# Altium PCB Test.PcbDoc (part 4 of 7)
Units mm, origin at the board's own origin, x right, y up, seen from the top; angles counter-clockwise.
Board outline 127 x 60.96 mm, 8 copper layers (TOP, LY2 - GND, LY3 - SIG, LY4 - GND, LY5 - SIG, LY6 - SIG, LY7 - GND, BOTTOM), stack 1.458 mm thick; 279 components, 237 nets, 1232 pads, 1515 vias.
Unrouted connection lines stored in the file: 100.
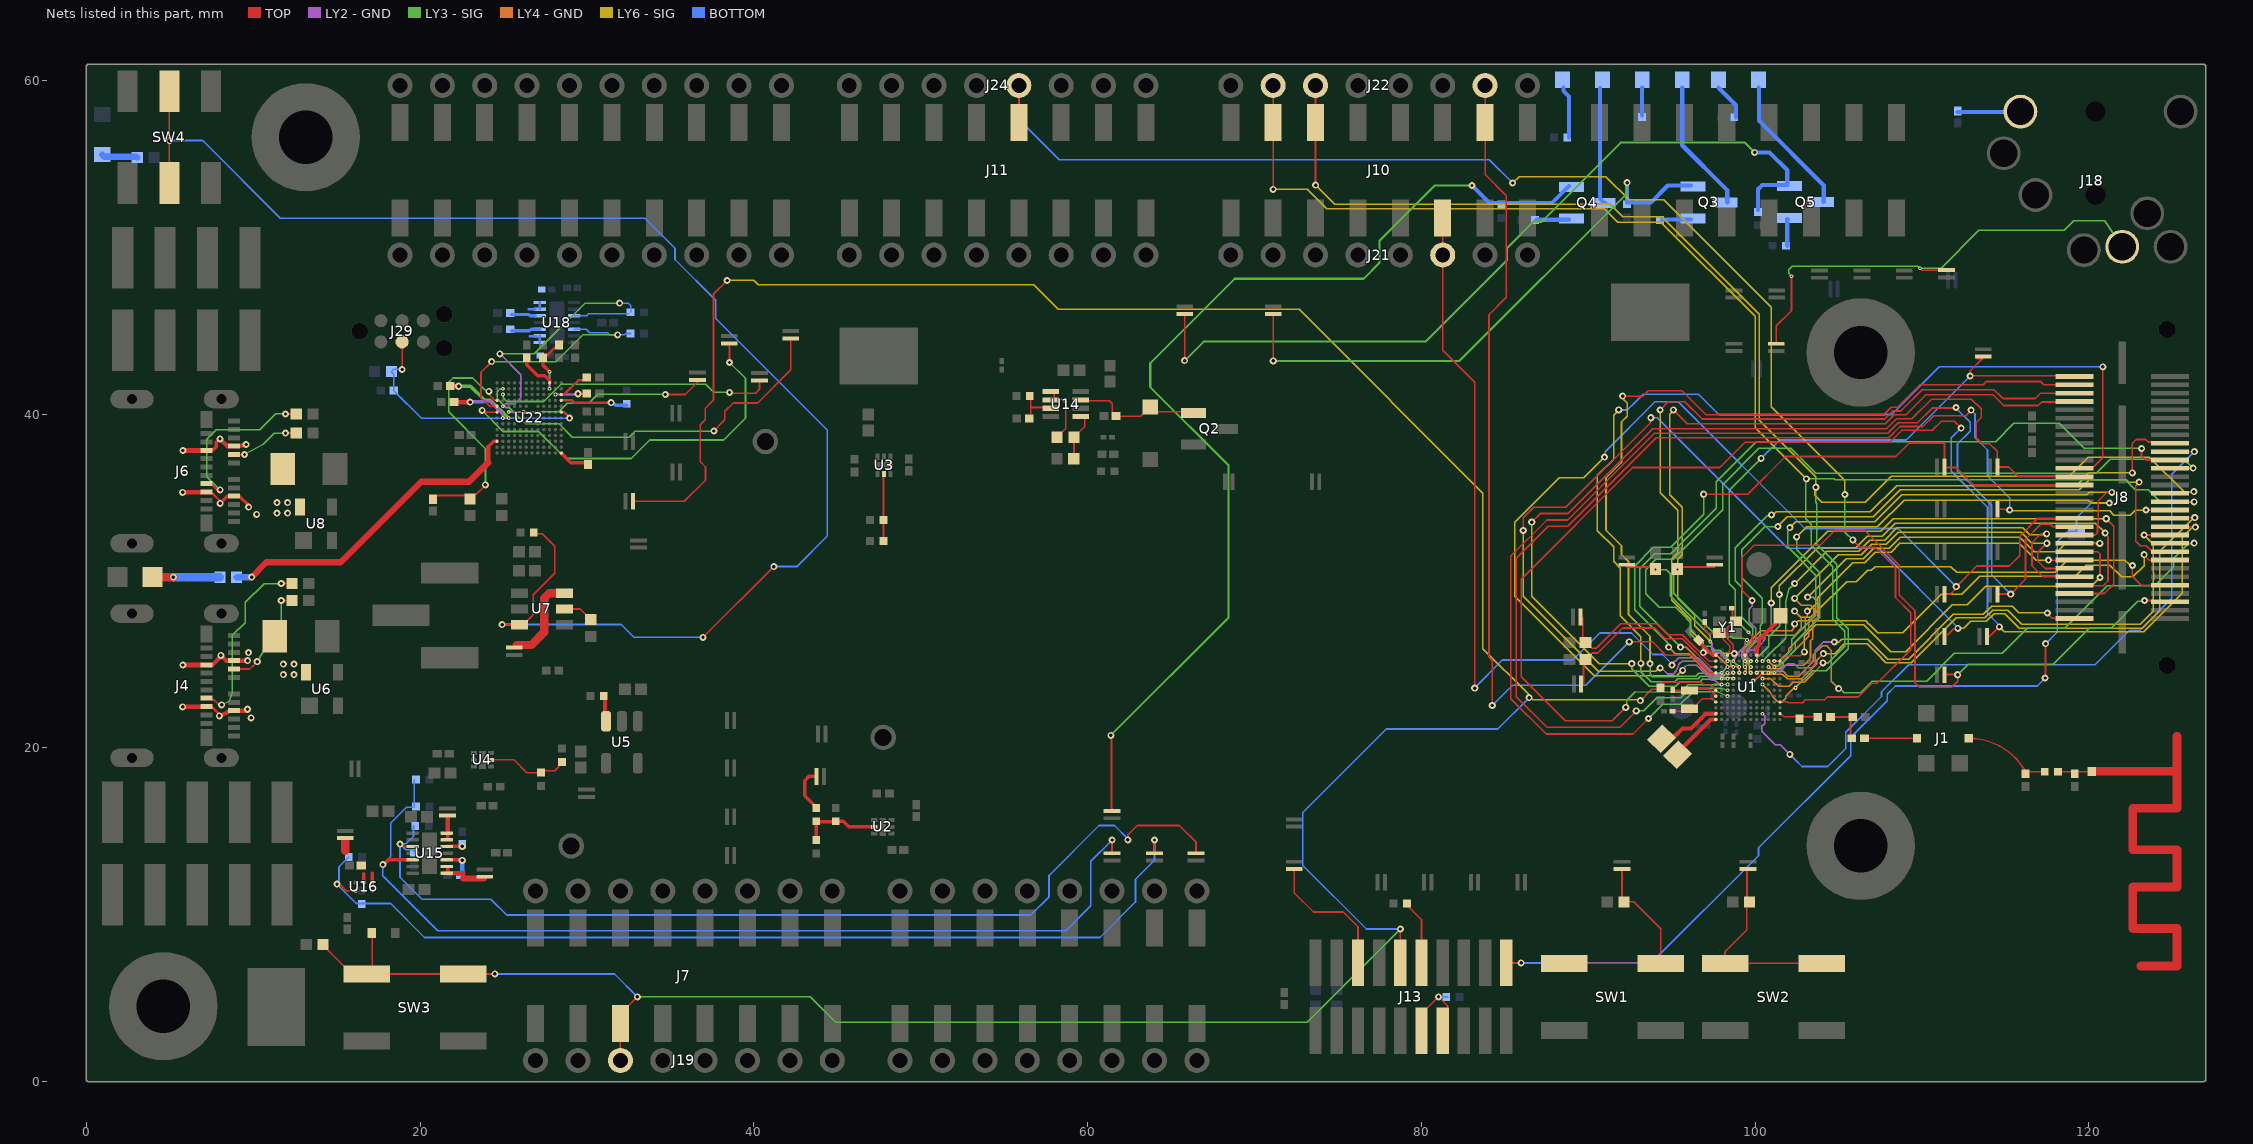
[diagram p10: the nets of this part, all layers, seen from the top]

## Via types
v1: diameter 0.422, hole 0.203, TOP to BOTTOM, tented both sides, 1327 vias
v2: diameter 0.17/0.203/0.229 (per signal layer), hole 0.102, TOP to LY3 - SIG, tented both sides, 58 vias
v3: diameter 0.17/0.229 (per signal layer), hole 0.102, TOP to LY2 - GND, tented both sides, 56 vias
v4: diameter 0.17/0.229/0.229/0.254 (per signal layer), hole 0.102, TOP to LY4 - GND, tented both sides, 35 vias
v5: diameter 0.422/0.422/0.422/0.422 (per signal layer), hole 0.203, LY3 - SIG to LY6 - SIG, tented both sides, 18 vias
v6: diameter 0.229/0.17 (per signal layer), hole 0.102, LY7 - GND to BOTTOM, tented both sides, 11 vias
v7: diameter 0.229/0.203/0.17 (per signal layer), hole 0.102, LY6 - SIG to BOTTOM, tented both sides, 10 vias

## Nets (pads, with @x,y where several pads share a name; then routed paths per layer and width w, separated by ;. In a path a pad name is that pad's centre, name@x,y a point inside that pad or via, vN(x,y) a via of type N, cw(c..) or ccw(c..) an arc to the next point about the centre after c; other vN are vias at no path point) (continued)
MSPI03_CKO_TX2_DISPD3_GP67: J8.34 SB31.1 U1.C6 | length 71
  TOP w0.102: v1(92.877,22.211) 91.9,21.234 87.526,21.234 85.689,23.071 85.689,31.35 87.613,33.274 88.773,33.274 94.081,38.582 108.008,38.582 108.68,39.253 110.048,39.253 110.693,39.899 112.611,39.899 v1(112.943,40.231) ; 114.656,34.29 115.212,34.29 v1(115.249,34.253) ; v1(123.419,34.249) J8.34@124.861,34.249
  LY3 - SIG w0.089: v1(92.877,22.211) 93.331,22.211 94.107,22.987 94.996,22.987 95.55,22.987 96.134,23.571 98.044,23.571 v2(98.343,23.447)
  LY6 - SIG w0.089: v1(115.249,34.253) 115.29,34.211 121.237,34.211 121.502,33.946 122.465,33.946 122.768,34.249 v1(123.419,34.249)
  BOTTOM w0.102: v1(112.943,40.231) 113.176,39.999 113.176,38.589 113.919,37.846 113.919,36.298 115.249,34.968 v1(115.249,34.253)
MSPI04_SWO_RX0_DISPD4_GP68: J8.35 SB32.1 U1.B7 | length 64.2
  TOP w0.102: SB32.1@111.345,29.21 111.694,29.21 111.944,29.46 111.944,29.467 112.052,29.575 v1(112.052,29.662) 113.283,30.893 115.232,30.893 115.849,31.51 115.849,32.664 116.937,33.752 J8.35@119.131,33.751
  LY2 - GND w0.076: v1(95.656,24.638) 95.805,24.882 95.961,24.963 96.5,24.963 97.409,24.054 97.587,24.054 97.843,23.797 v3(97.993,23.797)
  LY6 - SIG w0.089: v1(90.972,37.424) 89.743,36.195 88.265,36.195 85.598,33.528 85.598,29.083 90.358,24.323 95.317,24.323 95.343,24.347 v1(95.656,24.638)
  BOTTOM w0.102: v1(90.972,37.424) 91.019,37.471 91.019,37.748 94.001,40.73 95.403,40.73 102.986,33.147 108.567,33.147 v1(112.052,29.662)
MSPI05_32KXT_SWO_RX2_DISPD5_GP69: J8.36 SB33.1 U1.B8 | length 75.5
  TOP w0.102: v1(86.106,33.02) 86.106,33.782 86.741,34.417 88.662,34.417 93.706,39.462 93.706,39.735 v1(93.75,39.779) ; 111.543,26.78 111.864,27.102 112.088,27.102 v1(112.149,27.163) ; J8.36@124.861,33.751 124.903,33.793 v1(126.343,33.793)
  LY2 - GND w0.076: 94.996,24.421 95.096,24.421 95.28,24.605 95.463,25.029 95.631,25.197 96.52,25.197 97.485,24.232 97.907,24.232 v3(97.993,24.147)
  LY2 - GND w0.102: v1(94.312,24.786) 94.391,24.786 94.756,24.421 94.996,24.421
  LY6 - SIG w0.089: v1(86.106,33.02) 86.106,29.083 90.607,24.582 94.03,24.582 94.235,24.786 v1(94.312,24.786) ; v1(112.149,27.163) 112.507,27.163 112.916,27.572 113.855,27.572 114.32,28.037 114.965,28.037 115.824,27.178 123.205,27.178 124.245,28.218 124.245,31.769 126.269,33.793 v1(126.343,33.793)
  BOTTOM w0.102: v1(93.75,39.779) 94.134,39.779 101.959,31.953 107.406,31.953 112.149,27.21 v1(112.149,27.163)
MSPI06_32KXT_SWTR0_RTS0_DISPD6_GP70: J8.37 SB34.1 U1.C5 | length 74.9
  TOP w0.102: v1(93.609,21.755) 92.682,20.828 87.479,20.828 85.364,22.942 85.364,31.495 87.525,33.655 88.773,33.655 93.968,38.85 107.954,38.85 108.585,39.482 109.732,39.482 110.607,40.358 112.002,40.358 v1(112.038,40.394) ; SB34.1@114.52,29.217 v1@115.309,29.217 ; v1(115.316,29.21) 116.205,30.099 116.205,32.487 117.119,33.401 117.678,33.401 117.831,33.249 J8.37@119.131,33.249
  LY3 - SIG w0.089: v1(93.609,21.755) 94.46,22.606 94.996,22.606 95.527,22.606 96.289,23.368 97.765,23.368 v2(98.343,23.097)
  BOTTOM w0.102: v1(112.038,40.394) 112.038,40.353 112.892,39.5 112.892,38.978 112.128,38.214 112.128,36.589 114.173,34.544 114.173,30.353 v1(115.316,29.21)
MSPI07_CKO_SWTR1_CTS0_DISPD7_GP71: J8.38 SB35.1 U1.C7 | length 83.2
  TOP w0.102: v1(92.247,22.423) 91.439,21.615 88.62,21.615 85.979,24.257 85.979,30.099 92.676,36.796 97.883,36.796 99.393,38.306 108.085,38.306 108.804,39.025 110.612,39.025 111.163,39.576 111.932,39.576 v1(112.347,39.161) ; 114.021,26.67 114.038,26.67 114.136,26.768 114.152,26.768 v1(114.632,27.248) ; J8.38@124.861,33.249 124.874,33.236 126.36,33.236 v1(126.373,33.222) v1@126.228,33.222
  LY3 - SIG w0.089: v1(92.247,22.423) 92.311,22.487 92.311,22.847 92.83,23.366 94.996,23.34 95.559,23.333 96,23.774 98.069,23.774 v2(98.343,23.797)
  LY6 - SIG w0.089: v1(114.632,27.248) 114.928,26.952 123.288,26.952 125.603,29.267 125.603,32.624 126.223,33.244 126.228,33.244 126.228,33.222 v1(126.373,33.222)
  BOTTOM w0.102: v1(112.347,39.161) 111.76,38.575 111.76,36.576 113.919,34.417 113.919,28.059 114.526,27.452 114.526,27.442 114.632,27.335 v1(114.632,27.248)
MSPI08_CKO_SWTR2_TX0_DISPD8_GP72: J8.25 SB53.1 U1.C8 | length 58.2
  TOP w0.102: v1(86.614,33.528) 87.122,34.036 88.773,34.036 93.856,39.119 107.87,39.119 108.471,39.721 109.393,39.721 110.568,40.896 112.959,40.896 113.543,40.312 113.543,39.793 113.248,39.497 113.248,38.582 113.603,38.227 114.046,38.227 114.5,37.773 114.5,36.85 SB53.1@114.52,36.83 115.189,36.83 115.768,36.251 J8.25@119.131,36.251
  LY3 - SIG w0.089: v1(92.606,25.041) 92.606,24.742 93.65,23.698 95.25,23.698 95.514,23.962 96.708,23.962 96.843,24.097 98.196,24.097 v2(98.343,24.147)
  LY6 - SIG w0.089: v1(86.614,33.528) 86.614,29.083 90.653,25.044 ; 90.656,25.041 v1(92.606,25.041)
MSPI09_SWTR3_TX2_DISPD9_GP73: J8.27 SB54.1 U1.D8 | length 42.3
  TOP w0.102: v1(96.909,35.195) 99.559,35.195 101.818,37.454 108.426,37.454 109.235,38.263 111.285,38.263 111.345,38.204 SB54.1@111.345,36.83 111.373,36.802 112.042,36.802 113.091,35.753 J8.27@119.131,35.753
  LY3 - SIG w0.089: v1(94.818,26.035) 94.765,26.088 94.765,26.29 92.773,28.282 92.773,30.895 93.898,32.02 94.941,32.02 96.909,33.989 v1(96.909,35.195)
  LY4 - GND w0.076: v1(94.818,26.035) 95.221,25.632 96.008,25.632 97.434,24.206 98.634,24.206 v4(98.693,24.147)
MSPI10_32KXT_RX2_DISPD15_GP37: J8.56 SB36.1 U1.F11 | length 44.1
  TOP w0.102: v1(99.822,28.829) 99.212,29.439 99.212,31.409 99.935,32.131 103.886,32.131 104.775,33.02 106.566,33.02 108.636,30.95 108.636,29.159 109.576,28.22 109.576,23.901 109.855,23.622 111.76,23.622 112.134,23.996 v1(112.134,24.38) 112.118,24.395 SB36.1@111.345,24.395 ; v1(123.329,28.829) 124.78,28.829 J8.56@124.861,28.748
  LY2 - GND w0.076: v3(99.393,25.197) 99.289,25.301 99.289,25.715 100.051,26.477
  LY2 - GND w0.089: 99.644,27.559 100.051,27.153 100.051,26.477
  LY2 - GND w0.102: 99.644,27.559 99.644,28.321 99.822,28.499 v1(99.822,28.829)
  LY3 - SIG w0.089: v1(112.134,24.38) 112.773,25.019 117.856,25.019 120.015,27.178 121.324,27.178 122.934,28.788 123.288,28.788 v1(123.329,28.829)
MSPI11_SWTRCK_RTS0_DISPD16_GP38: J8.01 SB12.1 U1.F12 | length 36
  TOP w0.102: U1.F12@99.393,25.547 99.393,25.885 99.822,26.314 99.822,26.695 v2(99.593,26.924) ; v1(112.887,42.281) v1@112.897,42.291 ; 113.284,43.307 113.529,43.307 ; 113.665,43.307 113.604,43.307 ; SB12.1@113.665,43.443 113.529,43.307 ; J8.01@119.131,42.255 119.096,42.291 v1@112.897,42.291 ; v1@112.897,42.291 112.903,42.297 112.903,42.606 113.604,43.307 ; 113.529,43.307 113.604,43.307
  LY3 - SIG w0.089: v2(99.593,26.924) 98.806,27.711 98.806,29.464 98.452,29.818 98.452,35.432 v1(100.362,37.342)
  BOTTOM w0.102: v1(100.362,37.342) 101.468,38.448 109.054,38.448 v1(112.887,42.281)
MSPI12_SWTR0_RTS2_DISPD17_GP39: J8.23 U1.C9 | length 61.4
  TOP w0.102: J8.23@119.131,36.754 119.22,36.843 120.285,36.843 120.821,37.378 120.821,42.817 v1(120.836,42.832)
  LY3 - SIG w0.089: v1(93.155,25.058) 93.155,24.574 93.777,23.952 95.174,23.952 95.363,24.141 96.582,24.141 96.723,24.282 98.094,24.282 v2(98.343,24.497)
  LY6 - SIG w0.089: v1(91.828,40.248) 91.516,39.935 91.516,37.298 90.551,36.333 90.551,33.02 91.516,32.055 91.516,31.166 91.925,30.757 91.925,27.9 93.155,26.671 v1(93.155,25.058)
  BOTTOM w0.102: v1(91.828,40.248) 91.832,40.244 92.344,40.244 92.81,40.711 93.287,41.188 96.607,41.188 97.817,39.978 108.177,39.978 111.033,42.834 120.834,42.834 v1(120.836,42.832)
MSPI13_SWTR1_CTS0_DISPD18_GP40: J8.03 U1.C10 | length 52.1
  TOP w0.102: v1(92.062,41.071) 93.257,41.071 93.588,41.402 95.616,41.402 97.052,39.967 107.708,39.967 108.15,40.408 108.54,40.408 109.885,41.753 113.659,41.753 113.863,41.957 117.093,41.957 117.296,41.753 J8.03@119.127,41.753
  LY3 - SIG w0.076: 95.192,24.3 96.449,24.3 96.609,24.46 97.956,24.46 v2(98.343,24.847)
  LY3 - SIG w0.089: v1(93.703,25.044) 93.7,25.044 93.7,24.41 93.853,24.257 95.148,24.257 95.192,24.3
  LY6 - SIG w0.102: v1(92.062,41.071) 92.123,41.01 92.123,40.865 92.329,40.659 92.329,39.871 91.989,39.531 91.989,37.095 91.059,36.165 91.059,33.047 91.989,32.117 91.989,31.582 92.417,31.154 92.417,27.979 93.703,26.693 v1(93.703,25.044)
  BOTTOM w0.102: v1@93.701,25.044 v1(93.703,25.044)
MSPI14_SWTR2_TX0_DISPD19_GP41: J8.05 U1.E9 | length 45.2
  TOP w0.102: v1(94.306,40.242) 94.801,40.737 95.788,40.737 96.821,39.704 107.769,39.704 108.244,40.18 108.728,40.18 110.006,41.457 114.311,41.457 114.828,40.94 114.866,40.94 114.869,40.937 116.779,40.937 117.096,41.255 J8.05@119.131,41.255
  LY4 - GND w0.076: v5(96.901,25.705) 97.561,25.705 98.374,24.892 98.857,24.892 99.043,24.706 v4(99.043,24.497)
  LY6 - SIG w0.089: v1(94.306,40.242) 94.306,35.273 95.352,34.227 95.352,31.682 94.996,31.326 94.996,28.829 96.139,27.686 96.139,27.051 96.901,26.289 v5(96.901,25.705)
MSPI15_SWTR3_TX2_DISPD20_GP42: J8.22 U1.D9 | length 47.1
  TOP w0.102: v1(123.156,37.938) 123.146,37.927 123.146,37.509 123.403,37.252 J8.22@124.861,37.251
  LY3 - SIG w0.089: v1(95.529,26.035) 93.091,28.473 93.091,30.734 93.99,31.633 94.952,31.633 97.663,34.344 97.663,35.941 100.076,38.354 114.408,38.354 115.502,39.449 118.215,39.449 119.726,37.938 v1(123.156,37.938)
  LY4 - GND w0.076: v1(95.529,26.035) 95.858,26.035 96.239,25.654 96.241,25.654 97.511,24.384 98.425,24.384 v4(98.693,24.497)
MSPI16_SWTRCTL_RX0_DISPD21_GP43: J8.24 U1.D10 | length 48.3
  TOP w0.102: J8.24@124.861,36.754 124.862,36.755 126.245,36.755 v1(126.246,36.756)
  LY3 - SIG w0.076: 98.553,24.987 v2@98.693,24.847
  LY3 - SIG w0.089: 98.553,24.987 98.553,25.171 97.867,25.856 97.583,25.856 97.353,26.086 96.85,26.086 96.114,26.822 96.114,27.534 95.682,27.965 95.238,28.409 94.252,28.409 93.432,29.23 93.432,30.681 94.056,31.305 95.102,31.305 98.058,34.261 98.058,35.77 100.231,37.943 102.138,37.943 103.621,36.46 120.434,36.46 121.278,37.304 125.698,37.304 v1(126.246,36.756)
  other v2: 98.693,24.847
MSPI17_SWO_RX2_DISPD22_GP44: J8.07 U1.E10 | length 43.5
  TOP w0.102: v1(95.102,40.25) 95.937,39.415 107.803,39.415 108.339,39.951 109.038,39.951 110.238,41.151 114.249,41.151 114.887,40.513 116.967,40.513 117.173,40.719 119.093,40.719 J8.07@119.131,40.757
  LY3 - SIG w0.076: v5(98.755,25.654) 98.755,25.135 v2(99.043,24.847)
  LY6 - SIG w0.089: v1(95.102,40.25) 95.102,40.229 94.869,39.996 94.869,35.179 95.631,34.417 95.631,31.56 95.377,31.306 95.377,28.956 96.393,27.94 96.393,27.305 97.409,26.289 97.409,25.908 97.663,25.654 v5(98.755,25.654)
MSPI18_32KXT_TX0_DISPD23_GP45: J8.18 U1.F10 | length 37.8
  TOP w0.102: v1(122.606,36.474) 122.606,38.239 122.838,38.472 123.403,38.472 123.547,38.328 124.785,38.328 J8.18@124.861,38.251
  LY3 - SIG w0.076: v2(99.393,24.847) 99.294,24.948 99.294,25.286 99.292,25.287 99.292,25.301 99.187,25.406 99.187,25.756 99.568,26.137
  LY3 - SIG w0.089: 99.568,26.137 99.847,26.416 99.847,27.153 99.187,27.813 99.187,29.616 98.806,29.997 98.806,32.004 100.717,33.915 100.941,33.915 v1(100.983,33.958)
  LY6 - SIG w0.089: v1(100.983,33.958) 101.073,33.958 101.263,34.147 106.905,34.147 108.472,35.714 119.236,35.714 119.997,36.474 v1(122.606,36.474)
MSPI19_GP104: J8.20 U1.J2 | length 42.4
  TOP w0.102: J8.20@124.861,37.755 124.867,37.749 126.316,37.749 v1(126.321,37.744)
  LY2 - GND w0.076: v3(100.443,22.047) 100.584,21.905 100.584,21.453 100.411,21.28 100.411,20.991 101.209,20.193 101.498,20.193 v1(102.083,19.609)
  LY6 - SIG w0.089: v1@102.083,19.558 v1(102.083,19.609)
  BOTTOM w0.102: v1(102.083,19.609) 102.438,19.253 102.812,18.88 104.351,18.88 105.435,19.964 105.435,20.94 107.569,23.074 107.569,23.356 109.201,24.988 120.365,24.988 122.428,27.051 123.063,27.051 124.968,28.956 124.968,36.391 v1(126.321,37.744)
MSPI20_QSPID0_RX0_DISPD10_DSPISD_GP74: J8.53 U1.G11 | length 33.8
  TOP w0.102: J8.53@119.131,29.246 120.924,29.246 121.483,29.804 121.483,33.282 v1(121.039,33.726)
  LY2 - GND w0.076: v3(99.743,25.197) 99.643,25.297 99.639,25.297 99.493,25.443 99.493,25.447 99.492,25.448 99.492,25.679 99.659,25.847 99.913,25.847 100.178,26.111
  LY2 - GND w0.102: 100.178,26.111 100.381,26.213 100.559,26.467 100.559,26.746 100.965,27.153 v1(100.965,28.677)
  LY6 - SIG w0.089: v1(100.965,28.677) 100.965,29.591 104.342,32.968 107.517,32.968 108.275,33.726 v1(121.039,33.726)
MSPI21_QSPID1_RX2_DISPD11_DSPIDCX_GP75: J8.51 U1.H11 | length 31.5
  TOP w0.102: J8.51@119.131,29.748 119.176,29.704 120.854,29.704 121.145,29.996 121.145,32.654 120.978,32.821 v1(120.978,32.874)
  LY3 - SIG w0.089: v2(100.093,25.197) 100.093,25.366 100.811,26.085 100.811,26.643 101.477,27.309 101.477,29.165 v1(101.454,29.188)
  LY6 - SIG w0.089: v1(101.454,29.188) 101.454,29.699 103.745,31.99 104.202,31.99 104.204,31.992 106.033,31.992 106.04,31.999 106.042,31.999 106.311,32.268 106.311,32.27 106.733,32.692 107.622,32.692 108.39,33.46 120.392,33.46 v1(120.978,32.874)
MSPI22_QSPID2_RTS0_DISPD12_GP76: J8.49 U1.J11 | length 27.4
  TOP w0.102: v1(117.466,32.823) 117.126,32.823 116.586,32.283 116.586,30.912 117.251,30.246 J8.49@119.131,30.246
  LY3 - SIG w0.089: v2(100.443,25.197) 100.722,25.476 101.825,26.578 101.825,28.524 101.825,28.769 102.005,29.488 v1(102.362,29.845)
  LY6 - SIG w0.089: v1(102.362,29.845) 104.293,31.776 106.198,31.776 106.868,32.446 107.756,32.446 108.489,33.178 116.047,33.178 116.459,32.766 117.409,32.766 v1(117.466,32.823)
MSPI23_QSPID3_CTS0_DISPD13_GP77: J8.47 U1.K11 | length 27.1
  TOP w0.102: v1(117.475,32.258) 116.942,31.725 116.942,31.191 117.384,30.749 J8.47@119.131,30.749
  LY4 - GND w0.076: v4(100.793,25.197) 101.047,24.943 101.473,24.943 101.575,25.044
  LY4 - GND w0.089: 101.575,25.044 103.226,26.695 103.226,27.686
  LY4 - GND w0.102: v1(102.362,28.956) 102.77,28.548 103.331,28.548 103.354,28.524 103.528,28.35 103.528,27.989 103.226,27.686
  LY6 - SIG w0.089: v1(102.362,28.956) 104.966,31.56 106.344,31.56 106.977,32.194 107.865,32.194 108.579,32.908 115.936,32.908 116.586,32.258 v1(117.475,32.258)
MSPI24_QSPISCK_DISPD14_DSPISCK_GP78: J8.45 U1.L11 | length 22.3
  TOP w0.102: v1(117.582,31.247) J8.45@119.131,31.247
  LY4 - GND w0.089: v4(101.143,25.197) 101.448,25.197 102.006,25.756 102.006,25.933 102.997,26.924 102.997,27.762
  LY4 - GND w0.102: 102.997,27.762 103.124,27.889 v1(103.124,28.194)
  LY6 - SIG w0.089: v1(103.124,28.194) 103.214,28.194 103.313,28.293 103.334,28.293 103.759,28.717 103.759,29.003 105.853,31.098 106.572,31.098 107.203,31.73 108.149,31.73 108.678,32.258 115.824,32.258 116.835,31.247 v1(117.582,31.247)
MSPI25_SDIFD4_SWO_DISPVS_GP79: J8.43 U1.M11 | length 26.1
  TOP w0.102: U1.M11@101.493,25.197 101.93,25.527 102.718,25.527 v1(102.946,25.756) ; J8.43@119.131,31.751 120.523,31.75 120.663,31.61 v1(120.663,30.209)
  LY6 - SIG w0.089: v1(102.946,25.756) 102.946,26.695 103.627,27.376 104.038,27.376 106.516,27.376 107.984,25.908 108.123,25.769 109.016,25.769 111.807,28.56 112.714,28.56 113.829,29.675 120.154,29.675 120.663,30.184 v1(120.663,30.209)
MSPI26_CKO_SDIFD5_SWTR0_DISPHS_GP80: J8.41 U1.K10 | length 28.2
  TOP w0.102: J8.41@119.131,32.248 v1(120.65,32.248)
  LY4 - GND w0.076: v4(100.793,24.847) 100.9,24.74 101.6,24.74 101.676,24.816
  LY4 - GND w0.089: 101.676,24.816 101.816,24.956 102.189,24.956 102.192,24.954 102.907,24.954
  LY4 - GND w0.102: 102.907,24.954 103.32,25.367 103.32,26.408 103.454,26.543 103.454,27.559 103.763,27.868 103.763,28.748 103.48,29.032 v1(103.149,29.032)
  LY6 - SIG w0.089: v1(103.149,29.032) 103.505,29.388 105.455,31.338 106.474,31.338 107.107,31.971 108.044,31.971 108.688,32.615 115.848,32.615 116.72,31.743 118.103,31.743 118.608,32.248 v1(120.65,32.248)
MSPI27_CKO_SDIFD6_SWTR1_DISPDE_GP81: J8.39 U1.L10 | length 34.8
  TOP w0.102: J8.39@119.131,32.751 120.381,32.751 120.511,32.881 120.511,33.237 120.512,33.238 120.512,33.394 120.558,33.44 120.558,34.792 121.069,35.303 v1(121.375,35.303)
  LY3 - SIG w0.089: v2(101.143,24.847) 101.301,24.847 101.448,24.994 101.448,25.185 102.184,25.922 102.184,26.492 103.632,27.94 103.632,30.353 101.943,32.042 101.943,32.969 102.076,33.101 v1(102.076,33.191)
  LY6 - SIG w0.089: v1(102.076,33.191) 102.432,33.548 107.17,33.548 108.778,35.156 119.865,35.156 120.012,35.303 v1(121.375,35.303)
MSPI28_32KXT_SDIFD7_SWTR2_DISPPCK_GP82: J8.59 U1.L9 | length 21.6
  TOP w0.102: v1(117.514,28.081) 117.514,28.049 117.791,27.773 119.106,27.773 J8.59@119.131,27.747
  LY2 - GND w0.076: v3(101.143,24.497) 101.386,24.689 101.6,24.689
  LY2 - GND w0.102: 101.6,24.689 101.93,25.019 102.337,25.019 102.565,24.79 103.378,24.79 103.607,25.019 103.607,25.857 104.089,26.34 v1(104.75,26.34)
  LY6 - SIG w0.089: v1(104.75,26.34) 105.004,26.34 105.181,26.518 106.747,26.518 107.945,25.32 109.2,25.32 111.884,28.003 113.676,28.003 114.171,28.499 115.392,28.499 115.81,28.081 v1(117.514,28.081)
MSPI29_32KXT_SDIFCMD_SWTR3_DISPSD_GP83: J13.20 SB10.1 U1.K9 | length 83.5
  TOP w0.102: J13.20@85.09,7.115 85.093,7.112 v1(85.979,7.112) ; v1(117.378,24.182) 117.395,24.199 117.395,26.224 v1(117.412,26.242)
  LY3 - SIG w0.076: v2(100.793,24.497) 101.229,24.496 101.32,24.587
  LY3 - SIG w0.089: 101.321,24.587 101.676,24.943 101.676,25.132 102.413,25.869 102.413,26.34 103.886,27.813 103.886,30.48 102.489,31.877 v1(102.489,32.639)
  LY6 - SIG w0.089: v1(102.489,32.639) 103.091,33.241 107.323,33.241 108.931,34.849 119.964,34.849 120.142,34.671 v1(121.23,34.672) v1(121.23,34.672)
  BOTTOM w0.102: v1(85.979,7.112) 93.777,7.112 100.203,13.538 100.203,14.003 105.733,19.533 105.733,20.643 107.919,22.829 107.919,23.21 108.412,23.703 116.899,23.703 v1(117.378,24.182) ; v1(117.412,26.242) 118.11,26.939 118.11,32.343 118.753,32.986 SB10.1@119.253,32.986 119.253,33.782 120.143,34.672 v1(121.23,34.672)
MSPI29_VCO_GP93: J11.8 J24.4 U1.M4 | length 88
  TOP w0.076: U1.M4@101.493,22.747 101.926,22.747 101.966,22.707 102.844,22.707 103.005,22.868 104.148,22.868
  TOP w0.102: J11.8@55.88,57.468 J24.4@55.88,59.69 ; 104.148,22.868 104.33,23.049 105.117,23.049 106.17,23.049 106.984,23.863 107.302,23.863 109.322,25.883 109.322,28.092 108.407,29.007 108.407,30.785 107.188,32.004 106.296,32.004 v1@105.852,32.448
  LY3 - SIG w0.089: v1(105.381,35.179) 105.381,32.928 v1(105.852,32.458)
  LY6 - SIG w0.089: v1(85.471,53.848) 85.852,54.229 91.059,54.229 92.456,52.832 94.527,52.832 100.97,46.389 100.97,40.443 105.381,36.032 v1(105.381,35.179)
  BOTTOM w0.102: J24.4@55.88,59.69 55.88,57.658 58.293,55.245 84.074,55.245 v1(85.471,53.848)
NetA1_1: A1.1 C2.1 R1.1 | length 1.9
  TOP w0.102: R1.1@118.262,18.567 119.151,18.567 120.147,18.567 A1.1@120.17,18.59
NetC1_1: C1.1 U1.A12 | length 1.5
  TOP w0.203: C1.1@96.571,26.441 97.465,25.547 U1.A12@97.643,25.547
  TOP w0.254: C1.1@96.571,26.441 96.574,26.445 C1.1@96.574,26.489
NetC3_1: C3.1 J1.2 R1.2 | length 5.2
  TOP w0.102: J1.2@112.809,20.574 cw(c112.809,16.697) 116.205,18.567 R1.2@117.246,18.567
NetC4_1: C4.1 L3.2 L4.1 | length 2.4
  TOP w0.102: L4.1@104.623,21.844 105.715,21.844 L3.2@105.715,20.574
NetC5_1: C5.1 L4.2 U1.M2 | length 2.2
  TOP w0.102: U1.M2@101.493,22.047 101.721,21.895 101.746,21.869 102.667,21.869 103.581,21.869 L4.2@103.607,21.844
NetC7_1: C7.1 U1.D12 Y1.1 | length 3.2